# Altium PCB 键盘 - 副本 - 副本.PcbDoc (part 1 of 3)
Units mm, origin at the board's own origin, x right, y up, seen from the top; angles counter-clockwise.
Board outline 443.48 x 149.35 mm, 2 copper layers (Top Layer, Bottom Layer); 278 components, 285 nets, 1577 pads, 337 vias.
Unrouted connection lines stored in the file: 56.
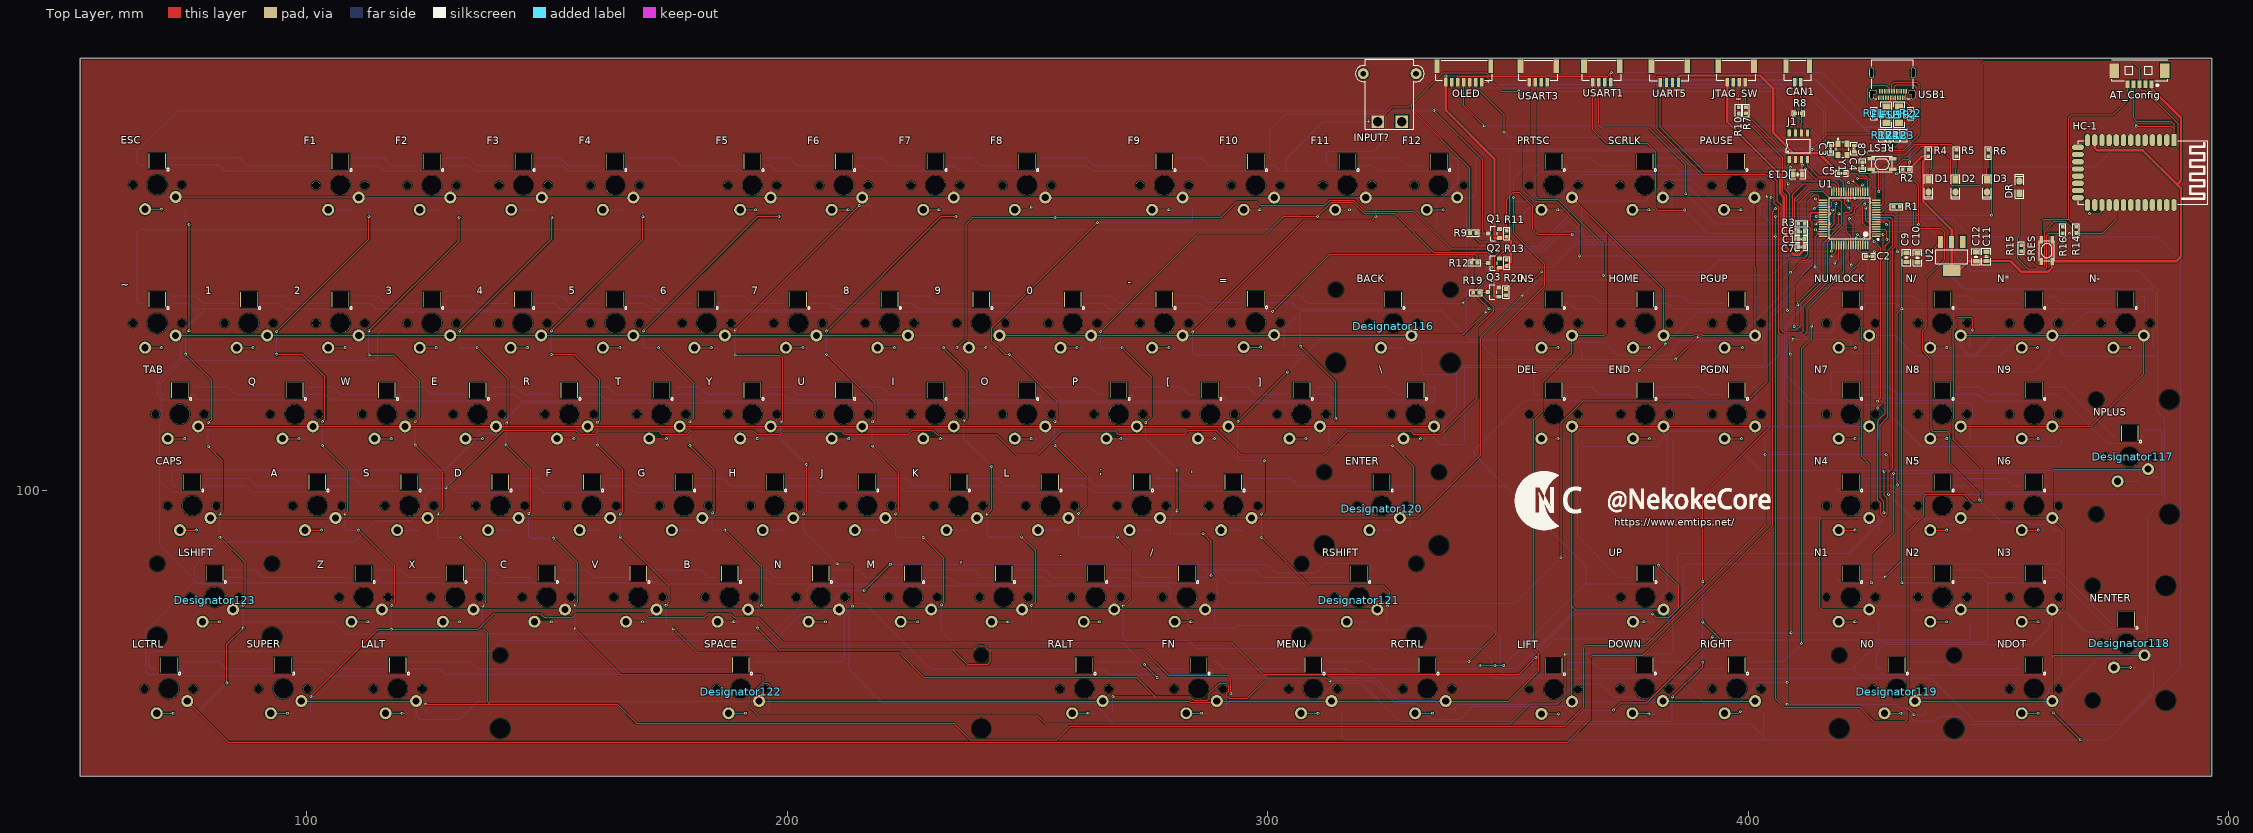
[diagram p0: Top Layer view]
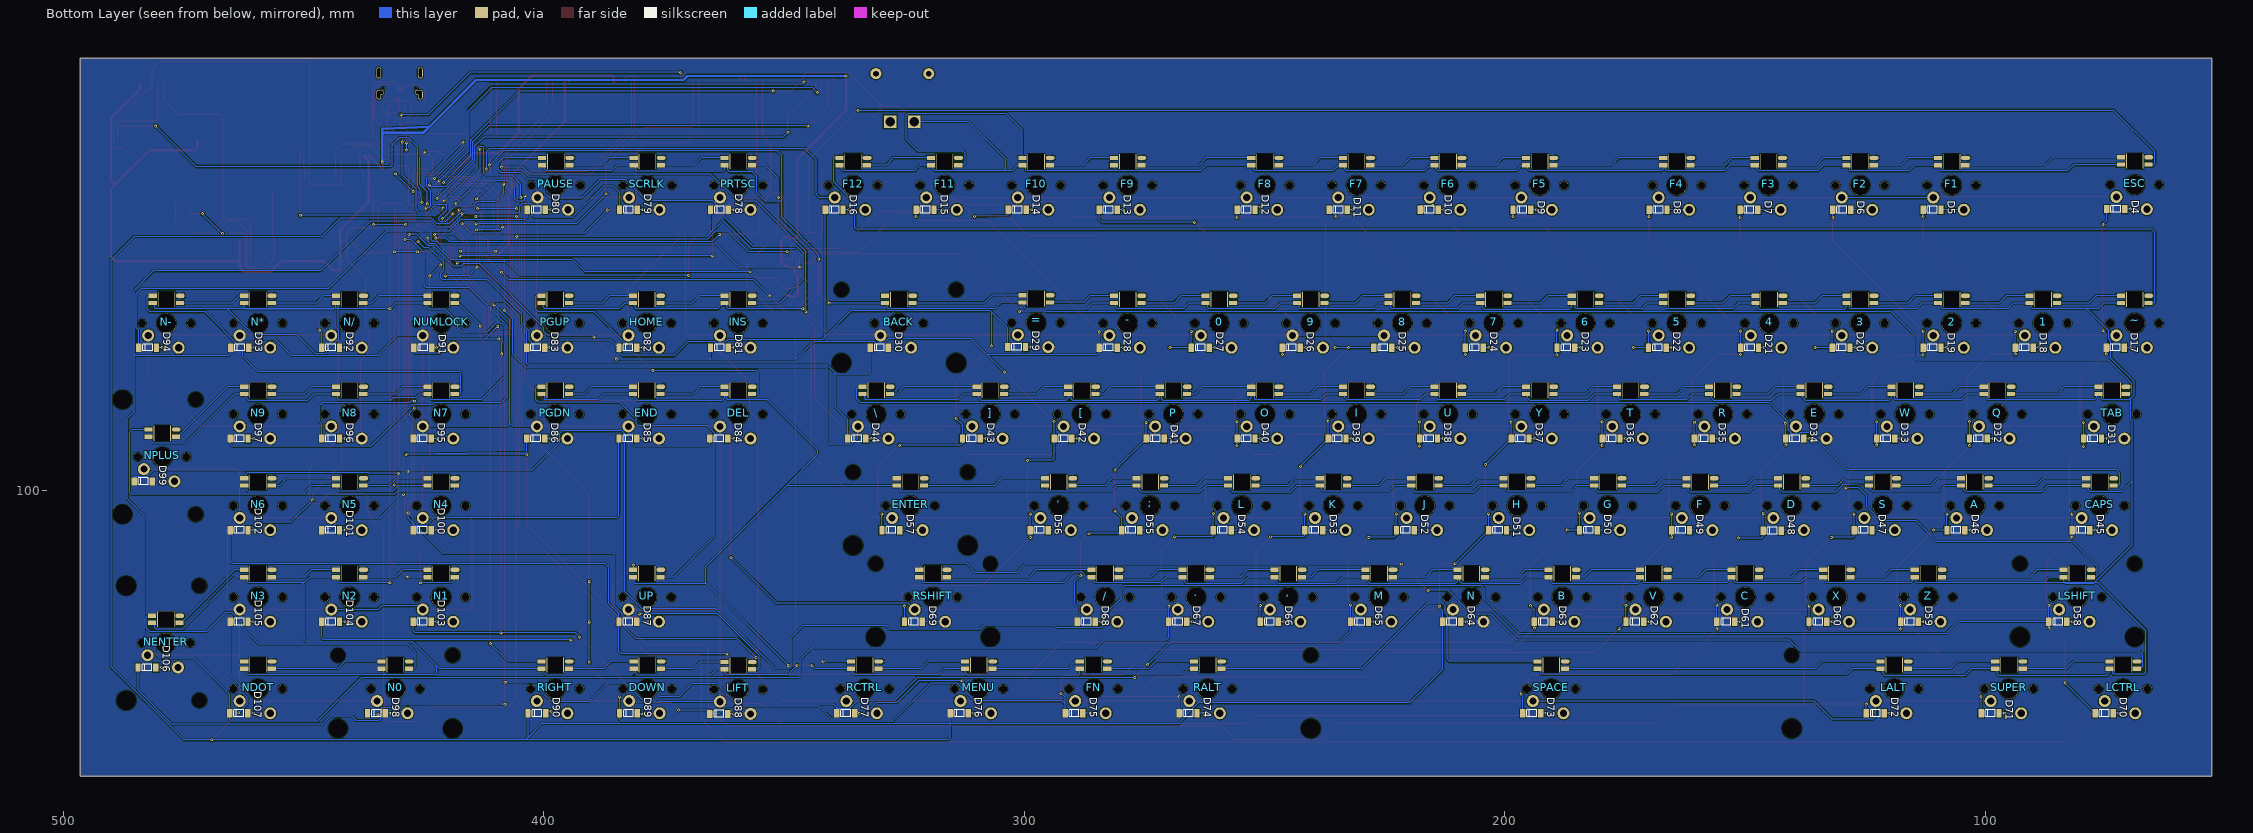
[diagram p1: Bottom Layer view, seen from below]

## Layer stack, top to bottom
Top Solder: solder mask 0.0102, Solder Resist, Dk 3.5
Top Layer: signal copper 0.0356
Dielectric 1: dielectric 0.32, FR-4, Dk 4.8
Bottom Layer: signal copper 0.0356
Bottom Solder: solder mask 0.0102, Solder Resist, Dk 3.5

## Board outline
52.959,40.64 52.959,189.992 496.443,189.992 496.443,40.64

## Design rules (kind name [scope] priority, off if disabled: settings)
Clearance [All] p1: gap=0.2 ignorepadtopadclearanceinfootprint=FALSE
PolygonConnect [All] p1: connectstyle=Relief reliefconductorwidth=0.254 reliefentries=4 polygonreliefangle="90 Angle" airgapwidth=0.254
RoutingVias [All] p1: holewidth=0.305 width=0.61 viastyle="Through Hole" minholewidth=0.305 minwidth=0.61 maxholewidth=0.305 maxwidth=0.61 viatemplateguid#1={2CB420AD-D318-4C6F-A62C-0E7EB091F50A} viatemplatename#1=v61h30
SolderMaskExpansion [All] p1: expansion=0.102 istentingtop=FALSE
Width WidthVCC3V3 [InNet('VCC3V3_BT')] p1: maxlimit=0.5 minlimit=0.5 preferedwidth=0.5
Width WidthVCC [InNet('VCC')] p2: maxlimit=0.5 minlimit=0.5 preferedwidth=0.5
30 further rules are at their usual default settings.

## Classes and differential pairs
component class 键盘扫描: 0 1 2 3 4 5 6 7 8 9 ' , - . / ; = [ \ ] A B BACK C CAPS D D4 D5 D6 D7 D8 D9 D10 D11 D12 D13 D14 D15 D16 D17 D18 D19 D20 D21 D22 D23 D24 D25 D26 D27 D28 D29 D30 D31 D32 D33 D34 D35 D36 D37 D38 D39 D40 D41 D42 D43 D44 D45 D46 D47 D48 D49 D50 D51 D52 D53 D54 D55 D56 D57 D58 D59 D60 D61 D62 D63 D64 D65 D66 D67 D68 D69 D70 D71 D72 D73 D74 D75 D76 D77 D78 D79 D80 D81 D82 D83 D84 D85 D86 D87 D88 D89 D90 D91 D92 D93 D94 D95 D96 D97 D98 D99 D100 D101 D102 D103 D104 D105 D106 D107 DEL DOWN E END ENTER ESC F F1 F2 F3 F4 F5 F6 F7 F8 F9 F10 F11 F12 FN G H HOME I INS J K L LALT LCTRL LIFT LSHIFT M MENU N N0 N1 N2 N3 N4 N5 N6 N7 N8 N9 N* N- N/ NDOT NENTER NPLUS NUMLOCK O P PAUSE PGDN PGUP PRTSC Q R RALT RCTRL RIGHT RSHIFT S SCRLK SPACE SUPER T TAB U UP V W X Y Z ~
component class 蓝牙和数据: AT_Config DR FUSB FUSB2 HC-1 R14 R15 R16 R17 R18 R21 R22 R23 R24 SRES USB1
component class 主板: C1 C2 C3 C4 C5 C6 C7 C8 C9 C10 C11 C12 C13 CAN1 D1 D2 D3 INPUT? J1 JTAG_SW OLED Q1 Q2 Q3 R1 R2 R3 R4 R5 R6 R7 R8 R9 R10 R11 R12 R13 R19 R20 RES REST U1 U2 UART5 USART1 USART3 Y1

## Components (designator, comment, footprint, x,y, rotation, side; value= is the part's Value field where it differs from the comment)
0 "Comment" MX_SW-1 259.461,134.874 r0 top locked
1 "Comment" MX_SW-1 88.011,134.874 r0 top locked
2 "Comment" MX_SW-1 107.061,134.874 r0 top locked
3 "Comment" MX_SW-1 126.111,134.874 r0 top locked
4 "Comment" MX_SW-1 145.034,134.874 r0 top locked
5 "Comment" MX_SW-1 164.211,134.874 r0 top locked
6 "Comment" MX_SW-1 183.261,134.874 r0 top locked
7 "Comment" MX_SW-1 202.311,134.874 r0 top locked
8 "Comment" MX_SW-1 221.361,134.874 r0 top locked
9 "Comment" MX_SW-1 240.411,134.874 r0 top locked
' "Comment" MX_SW-1 292.862,96.901 r0 top locked
, "Comment" MX_SW-1 245.11,77.851 r0 top locked
- "Comment" MX_SW-1 278.511,134.874 r0 top locked
. "Comment" MX_SW-1 264.287,77.851 r0 top locked
/ "Comment" MX_SW-1 283.21,77.851 r0 top locked
; "Comment" MX_SW-1 273.812,96.901 r0 top locked
= "MX_SW" MX_SW-1 297.561,135.001 r0 top locked
[ "Comment" MX_SW-1 288.036,115.951 r0 top locked
\ "Comment" MX_SW-1 330.835,115.951 r0 top locked
] "Comment" MX_SW-1 307.086,115.951 r0 top locked
A "Comment" MX_SW-1 102.235,96.901 r0 top locked
AT_Config "HDR1x4" "MX 1.25-WS-5P" 481.457,187.452 r180 top
B "Comment" MX_SW-1 188.087,77.851 r0 top locked
BACK "Comment" MX_SW-1 326.136,134.874 r0 top locked
C "Comment" MX_SW-1 149.987,77.851 r0 top locked
C1 "C 0603_L" "C 0603_L" 411.084,152.4 r180 top value=0.1uF
C2 "C 0603_L" "C 0603_L" 425.181,148.844 r0 top value=2.2uF
C3 "C 0603_L" "C 0603_L" 417.195,171.196 r270 top value=22pF
C4 "C 0603_L" "C 0603_L" 422.021,171.196 r270 top value=22pF
C5 "C 0603_L" "C 0603_L" 419.496,166.116 r0 top value=0.1uF
C6 "C 0603_L" "C 0603_L" 411.099,153.924 r0 top value=2.2uF
C7 "C 0603_L" "C 0603_L" 411.084,150.749 r180 top value=0.1uF
C8 "C 0603_L" "C 0603_L" 423.799,167.767 r90 top value=0.1uF
C9 "C 0805_L" "C 0805_L" 432.943,148.59 r90 top value=47uF
C10 "C 0805_L" "C 0805_L" 435.229,148.524 r90 top value=47uF
C11 "C 0805_L" "C 0805_L" 449.58,148.783 r270 top value=47uF
C12 "C 0805_L" "C 0805_L" 447.421,148.717 r270 top value=47uF
C13 "C 0805_L" "C 0805_L" 410.337,165.862 r180 top value=0.1uF
CAN1 "HDR1x2" GH1.25-立贴-2P 410.952,185.039 r180 top
CAPS "Comment" MX_SW-1 76.2,96.901 r0 top locked
D "Comment" MX_SW-1 140.335,96.901 r0 top locked
D1 "LED" "LED 0805R" 437.515,163.449 r270 top
D2 "LED" "LED 0805R" 443.166,163.449 r270 top
D3 "LED" "LED 0805R" 449.707,163.449 r270 top
D4 "LL4148" LL-34_L3.7-W1.6-RD 72.898,158.623 r180 bottom locked
D5 "LL4148" LL-34_L3.7-W1.6-RD 111.125,158.496 r180 bottom locked
D6 "LL4148" LL-34_L3.7-W1.6-RD 129.921,158.496 r180 bottom locked
D7 "LL4148" LL-34_L3.7-W1.6-RD 149.225,158.496 r180 bottom locked
D8 "LL4148" LL-34_L3.7-W1.6-RD 168.148,158.496 r180 bottom locked
D9 "LL4148" LL-34_L3.7-W1.6-RD 196.469,158.496 r180 bottom locked
D10 "LL4148" LL-34_L3.7-W1.6-RD 215.773,158.496 r180 bottom locked
D11 "LL4148" LL-34_L3.7-W1.6-RD 234.696,158.496 r180 bottom locked
D12 "LL4148" LL-34_L3.7-W1.6-RD 253.873,158.496 r180 bottom locked
D13 "LL4148" LL-34_L3.7-W1.6-RD 282.575,158.496 r180 bottom locked
D14 "LL4148" LL-34_L3.7-W1.6-RD 301.498,158.496 r180 bottom locked
D15 "LL4148" LL-34_L3.7-W1.6-RD 320.675,158.496 r180 bottom locked
D16 "LL4148" LL-34_L3.7-W1.6-RD 339.598,158.496 r180 bottom locked
D17 "LL4148" LL-34_L3.7-W1.6-RD 73.025,129.794 r180 bottom locked
D18 "LL4148" LL-34_L3.7-W1.6-RD 91.948,129.794 r180 bottom locked
D19 "LL4148" LL-34_L3.7-W1.6-RD 111.125,129.794 r180 bottom locked
D20 "LL4148" LL-34_L3.7-W1.6-RD 130.048,129.794 r180 bottom locked
D21 "LL4148" LL-34_L3.7-W1.6-RD 149.098,129.794 r180 bottom locked
D22 "LL4148" LL-34_L3.7-W1.6-RD 168.275,129.794 r180 bottom locked
D23 "LL4148" LL-34_L3.7-W1.6-RD 187.325,129.794 r180 bottom locked
D24 "LL4148" LL-34_L3.7-W1.6-RD 206.375,129.794 r180 bottom locked
D25 "LL4148" LL-34_L3.7-W1.6-RD 225.425,129.794 r180 bottom locked
D26 "LL4148" LL-34_L3.7-W1.6-RD 244.475,129.794 r180 bottom locked
D27 "LL4148" LL-34_L3.7-W1.6-RD 263.398,129.794 r180 bottom locked
D28 "LL4148" LL-34_L3.7-W1.6-RD 282.575,129.794 r180 bottom locked
D29 "LL4148" LL-34_L3.7-W1.6-RD 301.625,129.921 r180 bottom locked
D30 "LL4148" LL-34_L3.7-W1.6-RD 330.2,129.794 r180 bottom locked
D31 "LL4148" LL-34_L3.7-W1.6-RD 77.724,110.871 r180 bottom locked
D32 "LL4148" LL-34_L3.7-W1.6-RD 101.473,110.871 r180 bottom locked
D33 "LL4148" LL-34_L3.7-W1.6-RD 120.777,110.871 r180 bottom locked
D34 "LL4148" LL-34_L3.7-W1.6-RD 139.7,110.871 r180 bottom locked
D35 "LL4148" LL-34_L3.7-W1.6-RD 158.75,110.871 r180 bottom locked
D36 "LL4148" LL-34_L3.7-W1.6-RD 177.927,110.871 r180 bottom locked
D37 "LL4148" LL-34_L3.7-W1.6-RD 196.85,110.871 r180 bottom locked
D38 "LL4148" LL-34_L3.7-W1.6-RD 215.9,110.871 r180 bottom locked
D39 "LL4148" LL-34_L3.7-W1.6-RD 234.95,110.871 r180 bottom locked
D40 "LL4148" LL-34_L3.7-W1.6-RD 253.873,110.871 r180 bottom locked
D41 "LL4148" LL-34_L3.7-W1.6-RD 272.796,110.871 r180 bottom locked
D42 "LL4148" LL-34_L3.7-W1.6-RD 291.973,110.871 r180 bottom locked
D43 "LL4148" LL-34_L3.7-W1.6-RD 311.023,110.871 r180 bottom locked
D44 "LL4148" LL-34_L3.7-W1.6-RD 334.899,110.871 r180 bottom locked
D45 "LL4148" LL-34_L3.7-W1.6-RD 80.137,91.821 r180 bottom locked
D46 "LL4148" LL-34_L3.7-W1.6-RD 106.172,91.821 r180 bottom locked
D47 "LL4148" LL-34_L3.7-W1.6-RD 125.476,91.821 r180 bottom locked
D48 "LL4148" LL-34_L3.7-W1.6-RD 144.399,91.694 r180 bottom locked
D49 "LL4148" LL-34_L3.7-W1.6-RD 163.449,91.821 r180 bottom locked
D50 "LL4148" LL-34_L3.7-W1.6-RD 182.626,91.821 r180 bottom locked
D51 "LL4148" LL-34_L3.7-W1.6-RD 201.549,91.821 r180 bottom locked
D52 "LL4148" LL-34_L3.7-W1.6-RD 220.726,91.821 r180 bottom locked
D53 "LL4148" LL-34_L3.7-W1.6-RD 239.776,91.821 r180 bottom locked
D54 "LL4148" LL-34_L3.7-W1.6-RD 258.826,91.821 r180 bottom locked
D55 "LL4148" LL-34_L3.7-W1.6-RD 277.876,91.821 r180 bottom locked
D56 "LL4148" LL-34_L3.7-W1.6-RD 296.926,91.821 r180 bottom locked
D57 "LL4148" LL-34_L3.7-W1.6-RD 327.787,91.821 r180 bottom locked
D58 "LL4148" LL-34_L3.7-W1.6-RD 84.963,72.771 r180 bottom locked
D59 "LL4148" LL-34_L3.7-W1.6-RD 115.824,72.771 r180 bottom locked
D60 "LL4148" LL-34_L3.7-W1.6-RD 134.874,72.771 r180 bottom locked
D61 "LL4148" LL-34_L3.7-W1.6-RD 154.051,72.771 r180 bottom locked
D62 "LL4148" LL-34_L3.7-W1.6-RD 172.974,72.771 r180 bottom locked
D63 "LL4148" LL-34_L3.7-W1.6-RD 192.024,72.771 r180 bottom locked
D64 "LL4148" LL-34_L3.7-W1.6-RD 211.074,72.771 r180 bottom locked
D65 "LL4148" LL-34_L3.7-W1.6-RD 230.251,72.771 r180 bottom locked
D66 "LL4148" LL-34_L3.7-W1.6-RD 249.047,72.771 r180 bottom locked
D67 "LL4148" LL-34_L3.7-W1.6-RD 268.097,72.771 r180 bottom locked
D68 "LL4148" LL-34_L3.7-W1.6-RD 287.147,72.771 r180 bottom locked
D69 "LL4148" LL-34_L3.7-W1.6-RD 323.088,72.771 r180 bottom locked
D70 "LL4148" LL-34_L3.7-W1.6-RD 75.311,53.721 r180 bottom locked
D71 "LL4148" LL-34_L3.7-W1.6-RD 99.06,53.721 r180 bottom locked
D72 "LL4148" LL-34_L3.7-W1.6-RD 122.936,53.721 r180 bottom locked
D73 "LL4148" LL-34_L3.7-W1.6-RD 194.437,53.721 r180 bottom locked
D74 "LL4148" LL-34_L3.7-W1.6-RD 265.938,53.721 r180 bottom locked
D75 "LL4148" LL-34_L3.7-W1.6-RD 289.687,53.721 r180 bottom locked
D76 "LL4148" LL-34_L3.7-W1.6-RD 313.563,53.721 r180 bottom locked
D77 "LL4148" LL-34_L3.7-W1.6-RD 337.185,53.721 r180 bottom locked
D78 "LL4148" LL-34_L3.7-W1.6-RD 363.474,158.496 r180 bottom locked
D79 "LL4148" LL-34_L3.7-W1.6-RD 382.397,158.496 r180 bottom locked
D80 "LL4148" LL-34_L3.7-W1.6-RD 401.574,158.496 r180 bottom locked
D81 "LL4148" LL-34_L3.7-W1.6-RD 363.474,129.794 r180 bottom locked
D82 "LL4148" LL-34_L3.7-W1.6-RD 382.524,129.794 r180 bottom locked
D83 "LL4148" LL-34_L3.7-W1.6-RD 401.701,129.794 r180 bottom locked
D84 "LL4148" LL-34_L3.7-W1.6-RD 363.601,110.871 r180 bottom locked
D85 "LL4148" LL-34_L3.7-W1.6-RD 382.524,110.871 r180 bottom locked
D86 "LL4148" LL-34_L3.7-W1.6-RD 401.701,110.871 r180 bottom locked
D87 "LL4148" LL-34_L3.7-W1.6-RD 382.524,72.771 r180 bottom locked
D88 "LL4148" LL-34_L3.7-W1.6-RD 363.601,53.594 r180 bottom locked
D89 "LL4148" LL-34_L3.7-W1.6-RD 382.397,53.721 r180 bottom locked
D90 "LL4148" LL-34_L3.7-W1.6-RD 401.447,53.721 r180 bottom locked
D91 "LL4148" LL-34_L3.7-W1.6-RD 425.196,129.794 r180 bottom locked
D92 "LL4148" LL-34_L3.7-W1.6-RD 444.373,129.794 r180 bottom locked
D93 "LL4148" LL-34_L3.7-W1.6-RD 463.296,129.794 r180 bottom locked
D94 "LL4148" LL-34_L3.7-W1.6-RD 482.473,129.794 r180 bottom locked
D95 "LL4148" LL-34_L3.7-W1.6-RD 425.323,110.871 r180 bottom locked
D96 "LL4148" LL-34_L3.7-W1.6-RD 444.373,110.871 r180 bottom locked
D97 "LL4148" LL-34_L3.7-W1.6-RD 463.423,110.871 r180 bottom locked
D98 "LL4148" LL-34_L3.7-W1.6-RD 434.848,53.721 r180 bottom locked
D99 "LL4148" LL-34_L3.7-W1.6-RD 483.362,101.981 r180 bottom locked
D100 "LL4148" LL-34_L3.7-W1.6-RD 425.323,91.821 r180 bottom locked
D101 "LL4148" LL-34_L3.7-W1.6-RD 444.373,91.821 r180 bottom locked
D102 "LL4148" LL-34_L3.7-W1.6-RD 463.423,91.821 r180 bottom locked
D103 "LL4148" LL-34_L3.7-W1.6-RD 425.323,72.771 r180 bottom locked
D104 "LL4148" LL-34_L3.7-W1.6-RD 444.373,72.771 r180 bottom locked
D105 "LL4148" LL-34_L3.7-W1.6-RD 463.423,72.771 r180 bottom locked
D106 "LL4148" LL-34_L3.7-W1.6-RD 482.6,63.246 r180 bottom locked
D107 "LL4148" LL-34_L3.7-W1.6-RD 463.499,53.721 r180 bottom locked
DEL "Comment" MX_SW-1 359.537,115.951 r0 top locked
Designator116 "Comment" 卫星轴 326.136,134.874 r0 top locked
Designator117 "Comment" 卫星轴 479.425,107.061 r90 top locked
Designator118 "Comment" 卫星轴 478.663,68.326 r90 top locked
Designator119 "Comment" 卫星轴 430.911,58.801 r0 top locked
Designator120 "Comment" 卫星轴 323.723,96.901 r0 top locked
Designator121 "Comment" 卫星轴 319.024,77.851 r0 top locked
Designator122 "Comment" 空格卫星轴 190.373,58.801 r0 top locked
Designator123 "Comment" 卫星轴 80.899,77.851 r0 top
DOWN "Comment" MX_SW-1 378.46,58.801 r0 top locked
DR "LED" "LED 0805R" 456.438,163.195 r90 top
E "Comment" MX_SW-1 135.636,115.951 r0 top locked
END "Comment" MX_SW-1 378.587,115.951 r0 top locked
ENTER "Comment" MX_SW-1 323.723,96.901 r0 top locked
ESC "Comment" MX_SW-1 68.961,163.703 r0 top locked
F "Comment" MX_SW-1 159.385,96.901 r0 top locked
F1 "Comment" MX_SW-1 107.061,163.576 r0 top locked
F2 "Comment" MX_SW-1 126.111,163.576 r0 top locked
F3 "Comment" MX_SW-1 145.161,163.576 r0 top locked
F4 "Comment" MX_SW-1 164.211,163.576 r0 top locked
F5 "Comment" MX_SW-1 192.786,163.576 r0 top locked
F6 "Comment" MX_SW-1 211.836,163.576 r0 top locked
F7 "Comment" MX_SW-1 230.886,163.576 r0 top locked
F8 "Comment" MX_SW-1 249.936,163.576 r0 top locked
F9 "Comment" MX_SW-1 278.511,163.576 r0 top locked
F10 "Comment" MX_SW-1 297.561,163.576 r0 top locked
F11 "Comment" MX_SW-1 316.611,163.576 r0 top locked
F12 "Comment" MX_SW-1 335.661,163.576 r0 top locked
FN "Comment" MX_SW-1 285.623,58.801 r0 top locked
FUSB "保险丝" "FU 1206" 428.752,178.308 r270 top
FUSB2 "保险丝" "FU 1206" 431.419,178.308 r270 top
G "Comment" MX_SW-1 178.562,96.901 r0 top locked
H "Comment" MX_SW-1 197.485,96.901 r0 top locked
HC-1 "HC-04-HID" HC-04 482.219,166.243 r270 top
HOME "Comment" MX_SW-1 378.587,134.874 r0 top locked
I "Comment" MX_SW-1 230.886,115.951 r0 top locked
INPUT? "XT30" XT30PW-M 325.413,181.817 r180 top
INS "Comment" MX_SW-1 359.537,134.874 r0 top locked
J "Comment" MX_SW-1 216.662,96.901 r0 top locked
J1 "TJA1050T/CM,118" SOIC-8_150MIL 408.559,168.998 r90 top
JTAG_SW "HDR1x4" GH1.25-立贴-4P 399.395,185.039 r180 top
K "Comment" MX_SW-1 235.712,96.901 r0 top locked
L "Comment" MX_SW-1 254.762,96.901 r0 top locked
LALT "Comment" MX_SW-1 118.999,58.801 r0 top locked
LCTRL "Comment" MX_SW-1 71.374,58.801 r0 top locked
LIFT "MX_SW" MX_SW-1 359.537,58.674 r0 top locked
LSHIFT "Comment" MX_SW-1 80.899,77.851 r0 top locked
M "Comment" MX_SW-1 226.187,77.851 r0 top locked
MENU "Comment" MX_SW-1 309.499,58.801 r0 top locked
N "Comment" MX_SW-1 207.01,77.851 r0 top locked
N0 "Comment" MX_SW-1 430.911,58.801 r0 top locked
N1 "Comment" MX_SW-1 421.386,77.851 r0 top locked
N2 "Comment" MX_SW-1 440.436,77.851 r0 top locked
N3 "Comment" MX_SW-1 459.486,77.851 r0 top locked
N4 "Comment" MX_SW-1 421.386,96.901 r0 top locked
N5 "Comment" MX_SW-1 440.436,96.901 r0 top locked
N6 "Comment" MX_SW-1 459.486,96.901 r0 top locked
N7 "Comment" MX_SW-1 421.386,115.951 r0 top locked
N8 "Comment" MX_SW-1 440.436,115.951 r0 top locked
N9 "Comment" MX_SW-1 459.486,115.951 r0 top locked
N* "Comment" MX_SW-1 459.486,134.874 r0 top locked
N- "Comment" MX_SW-1 478.536,134.874 r0 top locked
N/ "Comment" MX_SW-1 440.436,134.874 r0 top locked
NDOT "Comment" MX_SW-1 459.486,58.801 r0 top locked
NENTER "Comment" MX_SW-1 478.663,68.326 r0 top locked
NPLUS "Comment" MX_SW-1 479.425,107.061 r0 top locked
NUMLOCK "Comment" MX_SW-1 421.386,134.874 r0 top locked
O "Comment" MX_SW-1 249.936,115.951 r0 top locked
OLED "HDR1x7" GH1.25-立贴-7P 344.598,185.039 r180 top
P "Comment" MX_SW-1 268.986,115.951 r0 top locked
PAUSE "Comment" MX_SW-1 397.51,163.576 r0 top locked
PGDN "Comment" MX_SW-1 397.637,115.951 r0 top locked
PGUP "Comment" MX_SW-1 397.637,134.874 r0 top locked
PRTSC "Comment" MX_SW-1 359.537,163.576 r0 top locked
Q "Comment" MX_SW-1 97.536,115.951 r0 top locked
Q1 "AO3400A" AO3400A 347.091,153.543 r0 top
Q2 "AO3400A" AO3400A 347.084,147.386 r0 top
Q3 "AO3400A" AO3400A 346.964,141.351 r0 top
R "Comment" MX_SW-1 154.686,115.951 r0 top locked
R1 "R 0603_L" "R 0603_L" 430.911,159.131 r0 top value=10K
R2 "R 0603_L" "R 0603_L" 432.816,166.878 r180 top value=10K
R3 "R 0603_L" "R 0603_L" 411.099,155.575 r0 top value=10K
R4 "R 0603_L" "R 0603_L" 437.515,170.307 r270 top value=4.7K
R5 "R 0603_L" "R 0603_L" 443.357,170.307 r90 top value=4.7K
R6 "R 0603_L" "R 0603_L" 449.961,170.307 r90 top value=4.7K
R7 "R 0603_L" "R 0603_L" 399.542,179.197 r270 top value=0R
R8 "R 0603_P" 0603P 410.464,178.562 r180 top value=120R
R9 "R 0603_L" "R 0603_L" 342.773,153.67 r180 top value=4.7K
R10 "R 0603_L" "R 0603_L" 398.018,179.182 r270 top value=0R
R11 "R 0603_L" "R 0603_L" 349.758,153.543 r270 top value=4.7K
R12 "R 0603_L" "R 0603_L" 343.027,147.447 r180 top value=4.7K
R13 "R 0603_L" "R 0603_L" 349.758,147.447 r270 top value=4.7K
R14 "R603_L" "R 0603_L" 468.249,154.305 r90 top value=470R
R15 "R603_L" "R 0603_L" 456.819,150.495 r90 top value=10K
R16 "R603_L" "R 0603_L" 465.455,154.29 r270 top value=1K
R17 "R 0603_L" "R 0603_L" 427.863,173.99 r90 top value=10R
R18 "R 0603_L" "R 0603_L" 430.911,173.975 r90 top value=10R
R19 "R 0603_L" "R 0603_L" 343.423,141.224 r180 top value=4.7K
R20 "R 0603_L" "R 0603_L" 349.631,141.351 r270 top value=4.7K
R21 "R 0603_L" "R 0603_L" 426.212,178.562 r90 top value=5.1K
R22 "R 0603_L" "R 0603_L" 433.832,178.562 r270 top value=5.1K
R23 "R 0603_L" "R 0603_L" 432.435,173.99 r90 top value=10R
R24 "R 0603_L" "R 0603_L" 429.387,173.99 r90 top value=10R
RALT "Comment" MX_SW-1 261.874,58.801 r0 top locked
RCTRL "MX_SW" MX_SW-1 333.248,58.801 r0 top locked
REST "SW-PB" SMD-3.2*4.2 427.863,168.021 r180 top
RIGHT "Comment" MX_SW-1 397.637,58.801 r0 top locked
RSHIFT "Comment" MX_SW-1 319.024,77.851 r0 top locked
S "Comment" MX_SW-1 121.412,96.901 r0 top locked
SCRLK "Comment" MX_SW-1 378.46,163.576 r0 top locked
SPACE "Comment" MX_SW-1 190.373,58.801 r0 top locked
SRES "SW-PB" SMD-3.2*4.2 462.153,149.987 r90 top
SUPER "Comment" MX_SW-1 95.123,58.801 r0 top locked